# Allegro board AX7021-2019-04-01.brd
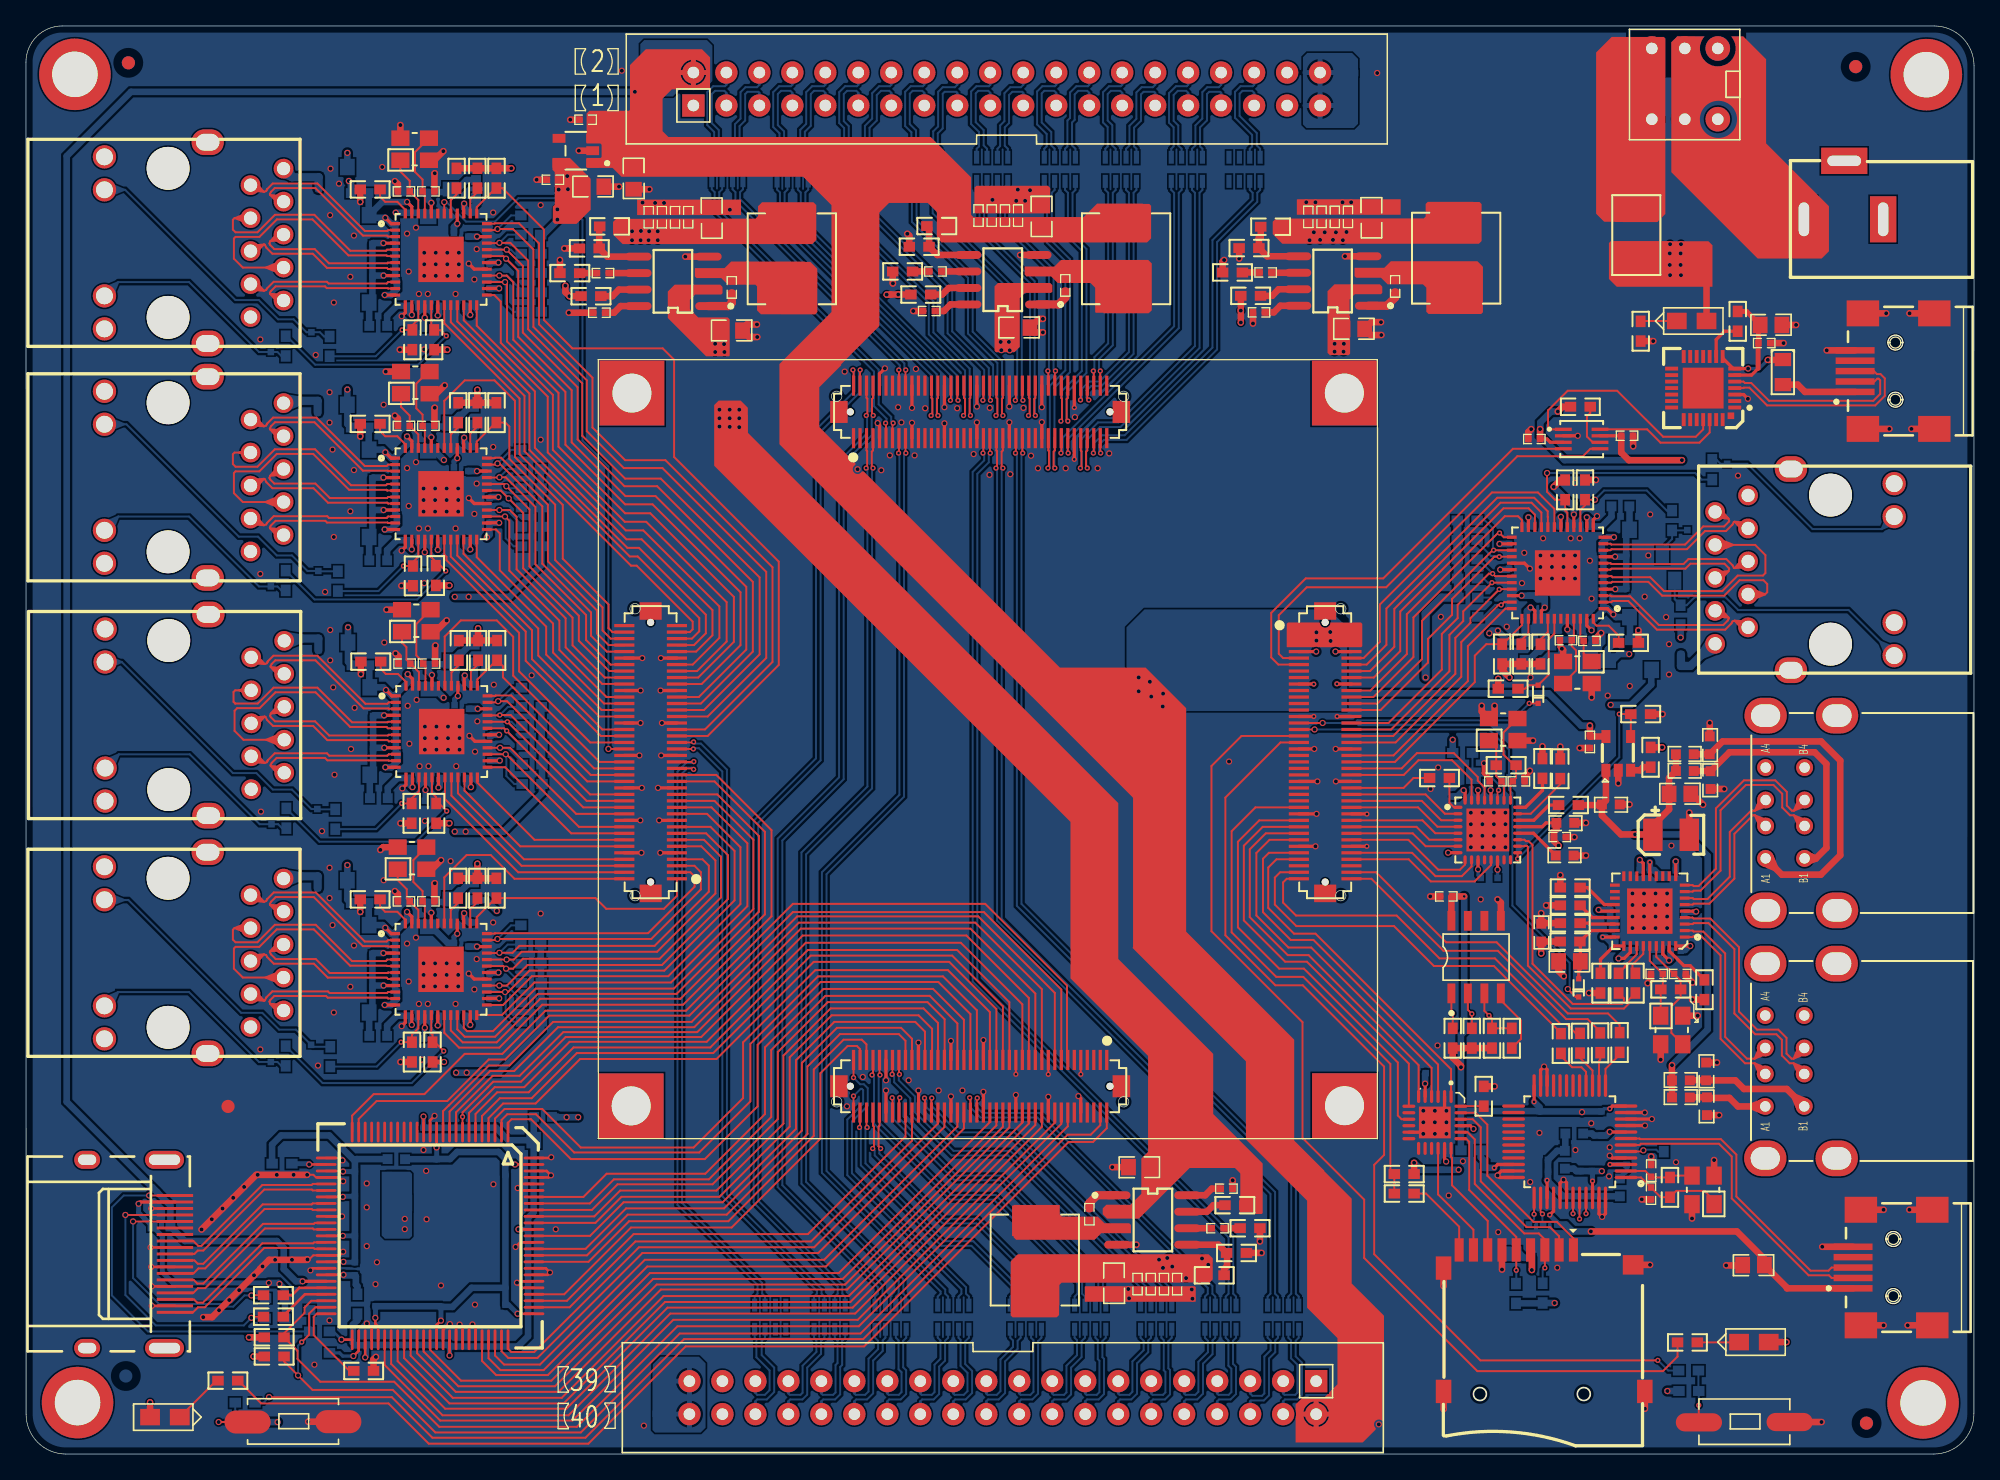
[diagram p0: board, top side]
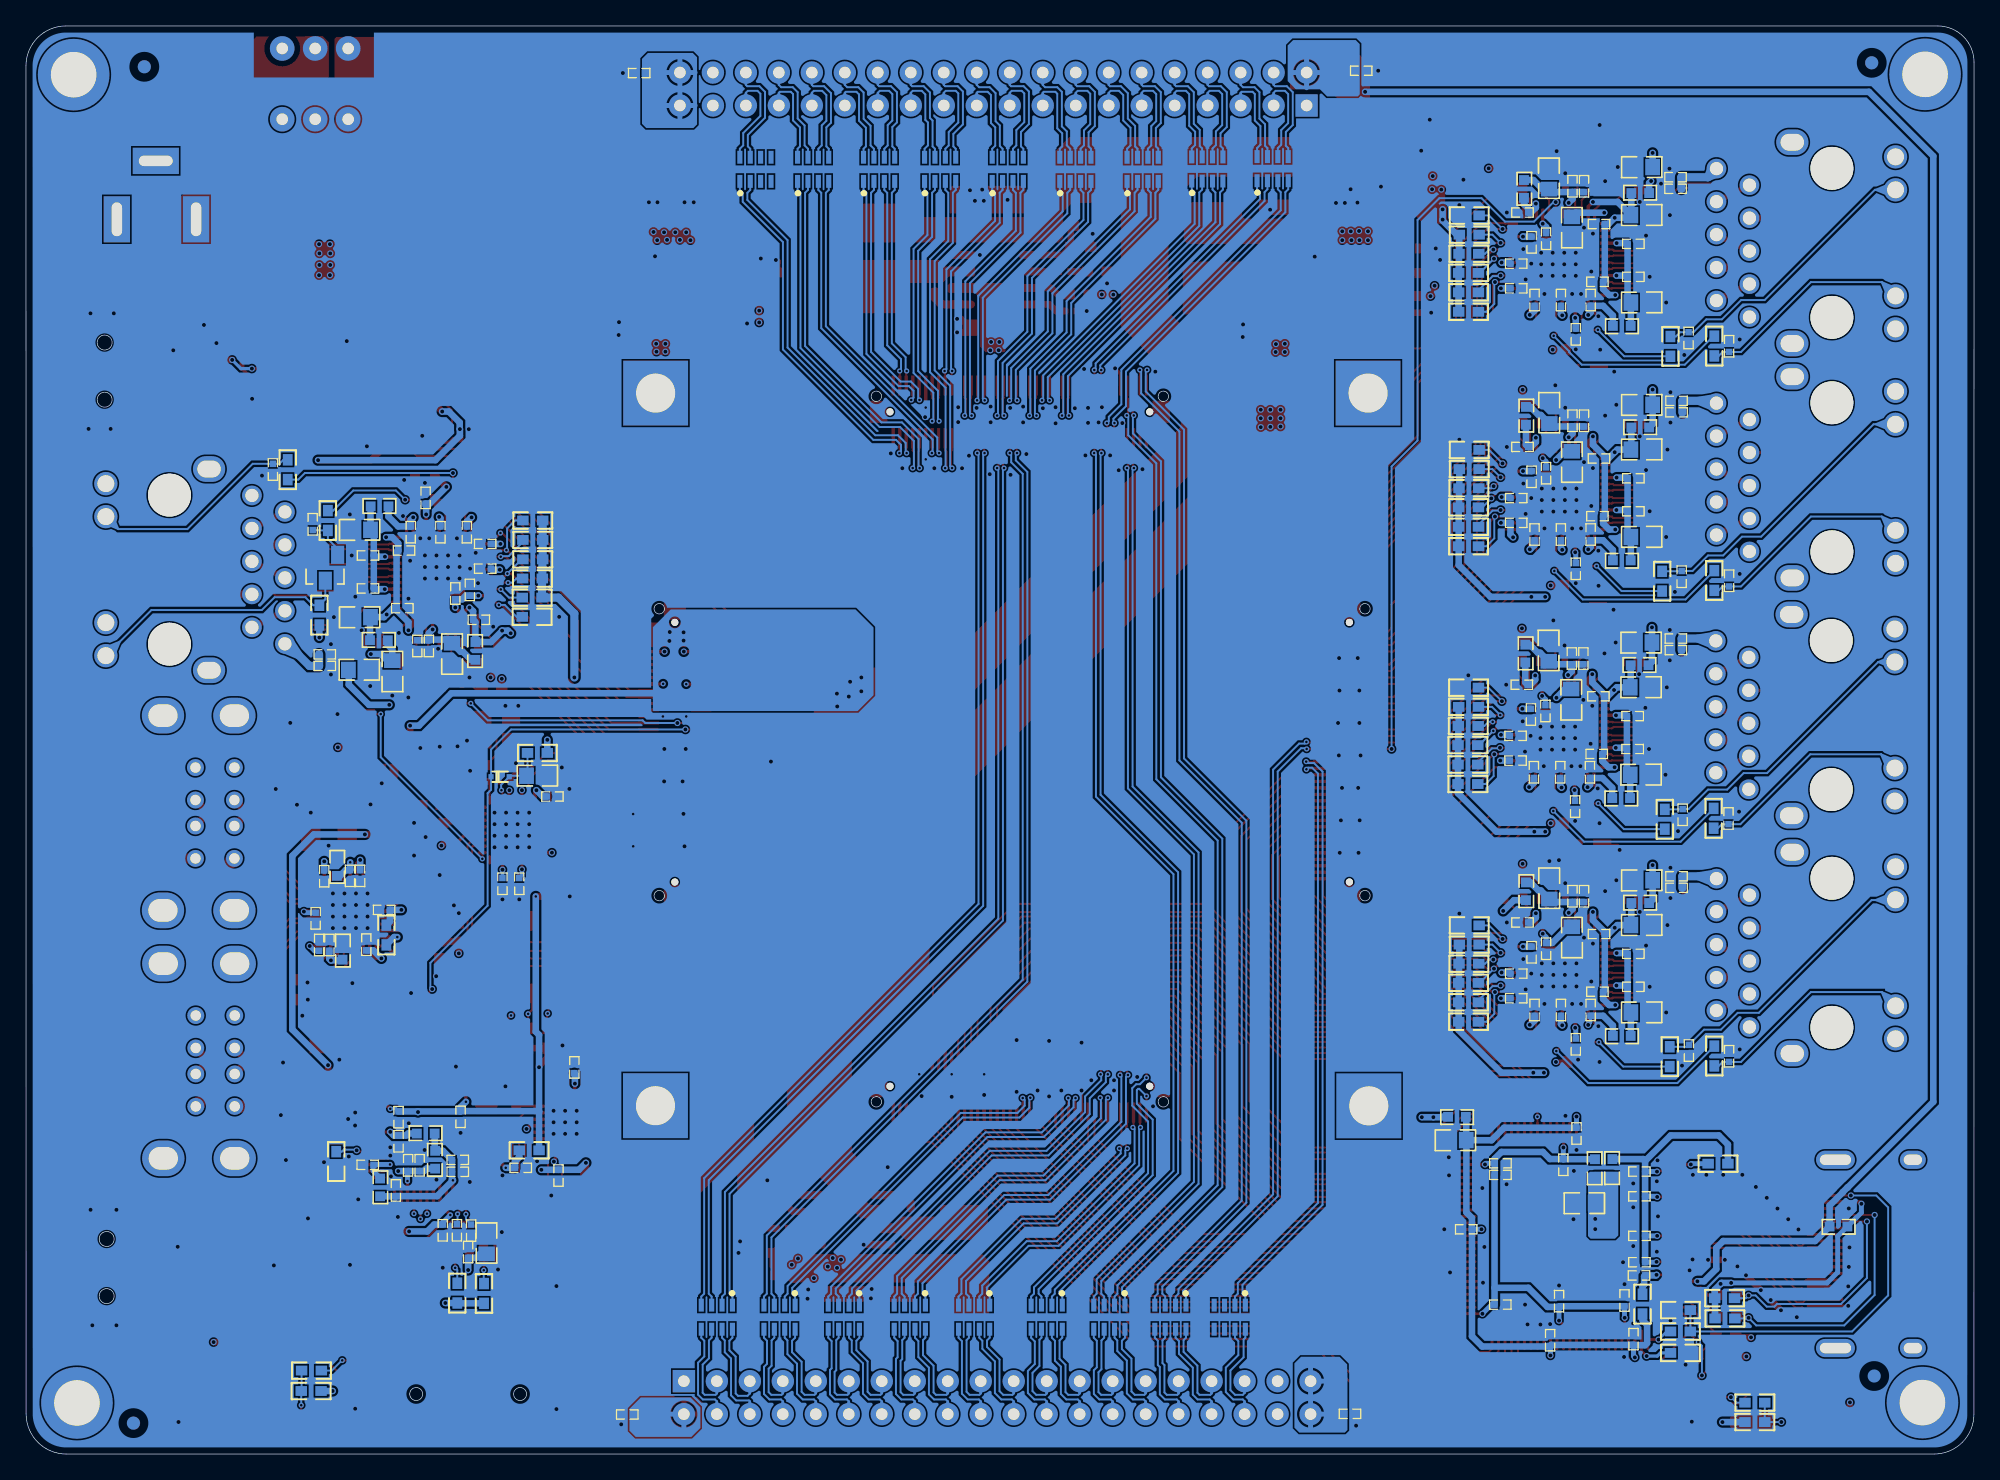
[diagram p1: board, bottom side, seen from below]

Outline 150.01 x 110 mm; copper layers: TOP, SGND, SVCC, BOTTOM. Coordinates in mm from the lower left corner of the outline.
Outline path: 0,107.21 arc(0.82,109.18) 2.79,110 146.94,110 arc(149.11,109.1) 150.01,106.93 150,3.1 arc(149.1,0.91) 146.91,0 3.07,0 arc(0.9,0.9) 0.01,3.07 0,107.21

## Design rules (mm)
net group EX_IO1_2P: nets EX_IO1_2N EX_IO1_2P
net group EX_IO1_4P: nets EX_IO1_4N EX_IO1_4P
net group EX_IO1_13P: nets EX_IO1_13N EX_IO1_13P
net group EX_IO1_14P: nets EX_IO1_14N EX_IO1_14P
net group EX_IO1_17N: nets EX_IO1_17N IO1_17N
net group EX_IO1_17P: nets EX_IO1_17P IO1_17P
net group EX_IO2_15P: nets IO2_15N IO2_15P
net group EX_IO2_15P1: nets EX_IO2_15N EX_IO2_15P
net group EX_IO2_16P: nets IO2_16N IO2_16P
net group EX_IO2_16P2: nets EX_IO2_16N EX_IO2_16P
net group IO1_4N: nets IO1_4N IO1_4P
net group IO1_13P: nets IO1_13N IO1_13P
net group IO1_14P: nets IO1_14N IO1_14P
net group OTG_D_P: nets OTG_D_N OTG_D_P
net group PHY_MDI0_N: nets PHY2_MDI0_N PHY2_MDI0_P
net group PHY_MDI1_N: nets PHY1_MDI1_N PHY1_MDI1_P
net group PHY_MDI2_P: nets PHY1_MDI2_N PHY1_MDI2_P
net group PHY_MDI3_N: nets PHY1_MDI3_N PHY1_MDI3_P
net group USB1: nets N20065767 N20065769
net group USB2: nets N20328299 N20328339
net group XADC-DIFF: nets XADC_VN XADC_VP
net group DP-DN: nets DN1 DN2 DN3 DN4 DP1 DP2 DP3 DP4
net group ETH_RX: nets PHY1_RXCK PHY1_RXCTL PHY1_RXD0 PHY1_RXD1 PHY1_RXD2 PHY1_RXD3 PHY2_RXCK PHY2_RXCTL PHY2_RXD0 PHY2_RXD1 PHY2_RXD2 PHY2_RXD3 PHY3_RXCK PHY3_RXCTL PHY3_RXD0 PHY3_RXD1 PHY3_RXD2 PHY3_RXD3 PHY4_RXCK PHY4_RXCTL PHY4_RXD0 PHY4_RXD1 PHY4_RXD2 PHY4_RXD3 PHY5_RXCK PHY5_RXCTL PHY5_RXD0 PHY5_RXD1 PHY5_RXD2 PHY5_RXD3
net group ETH_TX: nets PHY1_TXCK PHY1_TXCTL PHY1_TXD0 PHY1_TXD1 PHY1_TXD2 PHY1_TXD3 PHY2_TXCK PHY2_TXCTL PHY2_TXD0 PHY2_TXD1 PHY2_TXD2 PHY2_TXD3 PHY3_TXCK PHY3_TXCTL PHY3_TXD0 PHY3_TXD1 PHY3_TXD2 PHY3_TXD3 PHY4_TXCK PHY4_TXCTL PHY4_TXD0 PHY4_TXD1 PHY4_TXD2 PHY4_TXD3 PHY5_TXCK PHY5_TXCTL PHY5_TXD0 PHY5_TXD1 PHY5_TXD2 PHY5_TXD3
net group HDMI: nets TX_0N TX_0P TX_1N TX_1P TX_2N TX_2P TX_CN TX_CP
net group J11-DIFF: nets EX_IO1_1N EX_IO1_1P EX_IO1_3N EX_IO1_3P EX_IO1_5N EX_IO1_5P EX_IO1_6N EX_IO1_6P EX_IO1_7N EX_IO1_7P EX_IO1_8N EX_IO1_8P EX_IO1_9N EX_IO1_9P EX_IO1_10N EX_IO1_10P EX_IO1_11N EX_IO1_11P EX_IO1_12N EX_IO1_12P EX_IO1_15N EX_IO1_15P EX_IO1_16N EX_IO1_16P IO1_1N IO1_1P IO1_2N IO1_2P IO1_3N IO1_3P IO1_5N IO1_5P IO1_6N IO1_6P IO1_7N IO1_7P IO1_8N IO1_8P IO1_9N IO1_9P IO1_10N IO1_10P IO1_11N IO1_11P IO1_12N IO1_12P IO1_15N IO1_15P IO1_16N IO1_16P
net group J13-DIFF: nets EX_IO2_1N EX_IO2_1P EX_IO2_2N EX_IO2_2P EX_IO2_3N EX_IO2_3P EX_IO2_4N EX_IO2_4P EX_IO2_5N EX_IO2_5P EX_IO2_6N EX_IO2_6P EX_IO2_7N EX_IO2_7P EX_IO2_8N EX_IO2_8P EX_IO2_9N EX_IO2_9P EX_IO2_10N EX_IO2_10P EX_IO2_11N EX_IO2_11P EX_IO2_12N EX_IO2_12P EX_IO2_13N EX_IO2_13P EX_IO2_14N EX_IO2_14P EX_IO2_17N EX_IO2_17P IO2_1N IO2_1P IO2_2N IO2_2P IO2_3N IO2_3P IO2_4N IO2_4P IO2_5N IO2_5P IO2_6N IO2_6P IO2_7N IO2_7P IO2_8N IO2_8P IO2_9N IO2_9P IO2_10N IO2_10P IO2_11N IO2_11P IO2_12N IO2_12P IO2_13N IO2_13P IO2_14N IO2_14P IO2_17N IO2_17P
net group OTG_DATA: nets OTG_CLK OTG_DATA0 OTG_DATA1 OTG_DATA2 OTG_DATA3 OTG_DATA4 OTG_DATA5 OTG_DATA6 OTG_DATA7 OTG_DIR OTG_NXT OTG_STP
net group PHY_MDI: nets PHY1_MDI0_N PHY1_MDI0_P PHY2_MDI1_N PHY2_MDI1_P PHY2_MDI2_N PHY2_MDI2_P PHY2_MDI3_N PHY2_MDI3_P PHY3_MDI0_N PHY3_MDI0_P PHY3_MDI1_N PHY3_MDI1_P PHY3_MDI2_N PHY3_MDI2_P PHY3_MDI3_N PHY3_MDI3_P PHY4_MDI0_N PHY4_MDI0_P PHY4_MDI1_N PHY4_MDI1_P PHY4_MDI2_N PHY4_MDI2_P PHY4_MDI3_N PHY4_MDI3_P PHY5_MDI0_N PHY5_MDI0_P PHY5_MDI1_N PHY5_MDI1_P PHY5_MDI2_N PHY5_MDI2_P PHY5_MDI3_N PHY5_MDI3_P

## Placement (name value [footprint] x y rotation side)
C1  0.1uF  [C0402]  117.92 17.22 270 bottom
C2  10uF  [C0805]  133.03 14.55 180 top
C3  0.1uF  [C0402]  116.82 17.25 90 bottom
C4  0.1uF  [C0402]  115.73 17.22 90 bottom
C5  0.1uF  [C0402]  111.9 22.05 180 bottom
C8  0.1uF  [C0402]  116.75 22.66 180 bottom
C9  0.1uF  [C0402]  116.55 25.96 270 bottom
C10  0.1uF  [C0402]  119.69 22.25 90 bottom
C11  0.1uF  [C0402]  121.32 25.93 270 bottom
C12  0.1uF  [C0402]  116.75 21.74 180 bottom
C13  0.1uF  [C0402]  121.32 24.08 270 bottom
C14  0.1uF  [C0402]  121.52 20.32 90 bottom
C15  0.1uF  [C0402]  123.71 22.28 0 bottom
C16  0.1uF  [C0402]  120.58 22.25 90 bottom
C17  0.1uF  [C0402]  109.36 42.95 180 top
C22  10uF  [C0805]  114.54 16.26 90 bottom
C23  0.1uF  [C0402]  109 21.44 270 bottom
C24  0.1uF  [C0402]  107.78 29.79 90 bottom
C25  0.1uF  [C0402]  115.96 15.57 90 bottom
C26  22uF  [C0805]  124.34 60.4 180 bottom
C27  0.1uF  [C0402]  119.24 73.66 90 bottom
C28  0.1uF  [C0402]  115.83 66.57 90 bottom
C29  0.1uF  [C0402]  116.95 66.29 90 bottom
C30  22uF  [C0805]  121.8 60.27 270 bottom
C31  22uF  [C0805]  124.32 64.47 0 bottom
C32  0.1uF  [C0402]  121.02 65.15 180 bottom
C33  0.1uF  [C0402]  120.89 69.6 180 bottom
C34  0.1uF  [C0402]  116.06 70.99 270 bottom
C35  0.1uF  [C0402]  115.12 64.26 180 bottom
C36  0.1uF  [C0402]  114.67 68.2 0 bottom
C37  0.1uF  [C0402]  118.09 70.99 270 bottom
C38  0.1uF  [C0402]  120.38 70.99 270 bottom
C39  0.1uF  [C0402]  114.67 70.1 0 bottom
C40  22uF  [C0805]  117.21 61.62 270 bottom
C41  0.1uF  [C0402]  118.98 62.23 270 bottom
C42  0.01uF  [C0402]  119.87 62.23 270 bottom
C43  22uF  [C0805]  124.32 71.2 0 bottom
C44  0.1uF  [C0402]  123.68 66.67 0 bottom
C45  0.1uF  [C0402]  123.68 69.22 0 bottom
C46  18pF  [C0402]  120.41 62.64 0 top
C47  18pF  [C0402]  118.58 62.69 180 top
C48  0.1uF  [C0402]  131 75.82 270 bottom
C49  0.1uF  [C0402]  127.93 71.63 90 bottom
C50  0.1uF  [C0402]  126.98 60.71 180 bottom
C51  1uF  [C0402]  126.98 61.59 180 bottom
C52  2.2uF  [C0603]  118.54 48.62 0 top
C53  0.1uF  [C0402]  118.12 47.52 0 top
C54  0.1uF  [C0402]  112.02 43.92 270 bottom
C55  0.1uF  [C0402]  109.46 50.65 180 bottom
C56  0.1uF  [C0402]  113.32 43.92 270 bottom
C57  10uF  [C0805]  110.63 52.25 180 bottom
C58  4.7uF  [C0603]  118.49 46.1 180 top
C59  18pF  [C0402]  113.17 51.82 0 top
C60  18pF  [C0402]  114.94 51.82 180 top
C61  0.1uF  [C0402]  120.43 54.84 270 top
C62  22uF  [C0805]  127.37 50.85 0 top
C63  100uF  [TAN-SMB]  126.68 47.7 180 top
C64  4.7uF  [C0603]  122.04 50.04 0 top
C65  10uF  [C0805]  39.94 24.18 0 bottom
C66  0.1uF  [C0402]  39.12 17.31 0 bottom
C67  0.1uF  [C0402]  26.22 8.86 90 bottom
C68  0.1uF  [C0402]  32.64 8.78 90 bottom
C69  0.1uF  [C0402]  36.45 22.39 180 bottom
C70  0.1uF  [C0402]  36.45 21.5 180 bottom
C71  0.1uF  [C0402]  31.96 11.79 90 bottom
C72  0.1uF  [C0402]  31.63 22.27 270 bottom
C73  0.1uF  [C0402]  26.92 11.84 90 bottom
C74  0.1uF  [C0402]  36.47 11.51 180 bottom
C75  0.1uF  [C0402]  30.61 24.68 270 bottom
C76  0.1uF  [C0402]  25.78 13.76 180 bottom
C77  0.1uF  [C0402]  25.78 19.85 0 bottom
C78  0.1uF  [C0402]  25.78 14.77 0 bottom
C79  0.1uF  [C0402]  25.78 21.76 0 bottom
C80  0.1uF  [C0402]  25.78 16.8 0 bottom
C81  10uF  [C0805]  30.01 19.33 0 bottom
C82  22uF  [C0805]  30.97 39.78 270 bottom
C83  0.1uF  [C0402]  30.67 31.55 270 bottom
C84  0.1uF  [C0402]  32.95 38.91 270 bottom
C85  0.1uF  [C0402]  34.07 38.63 270 bottom
C86  22uF  [C0805]  25.59 44.2 0 bottom
C87  22uF  [C0805]  25.59 40.74 180 bottom
C88  0.1uF  [C0402]  28.89 40.06 0 bottom
C89  0.1uF  [C0402]  29.02 35.61 0 bottom
C90  0.1uF  [C0402]  35.24 37.01 180 bottom
C91  0.1uF  [C0402]  29.52 34.21 90 bottom
C92  0.1uF  [C0402]  31.81 34.21 90 bottom
C93  0.1uF  [C0402]  33.84 34.21 90 bottom
C94  0.1uF  [C0402]  35.24 35.1 180 bottom
C95  0.1uF  [C0402]  34.78 40.94 0 bottom
C96  22uF  [C0805]  32.7 43.59 90 bottom
C97  0.1uF  [C0402]  30.92 42.98 90 bottom
C98  0.01uF  [C0402]  30.03 42.98 90 bottom
C99  22uF  [C0805]  25.59 34.01 180 bottom
C100  0.1uF  [C0402]  26.22 38.53 180 bottom
C101  0.1uF  [C0402]  26.22 35.99 180 bottom
C102  18pF  [C0402]  29.09 42.57 180 top
C103  18pF  [C0402]  31 42.57 0 top
C104  0.1uF  [C0402]  18.86 30.66 90 bottom
C105  0.1uF  [C0402]  21.96 31.06 270 bottom
C106  0.1uF  [C0402]  22.92 44.5 0 bottom
C107  1uF  [C0402]  22.92 43.61 0 bottom
C108  22uF  [C0805]  31.02 58.09 270 bottom
C109  0.1uF  [C0402]  33 57.23 270 bottom
C110  0.1uF  [C0402]  34.12 56.95 270 bottom
C111  0.1uF  [C0402]  30.72 49.86 270 bottom
C112  22uF  [C0805]  25.64 62.51 0 bottom
C113  22uF  [C0805]  25.64 59.06 180 bottom
C114  0.1uF  [C0402]  29.07 53.92 0 bottom
C115  0.1uF  [C0402]  28.94 58.37 0 bottom
C116  0.1uF  [C0402]  35.29 55.32 180 bottom
C117  0.1uF  [C0402]  33.89 52.53 90 bottom
C118  0.1uF  [C0402]  35.29 53.42 180 bottom
C119  0.1uF  [C0402]  31.86 52.53 90 bottom
C120  0.1uF  [C0402]  29.58 52.53 90 bottom
C121  0.1uF  [C0402]  34.83 59.26 0 bottom
C122  22uF  [C0805]  32.75 61.9 90 bottom
C123  0.1uF  [C0402]  30.97 61.29 90 bottom
C124  0.01uF  [C0402]  30.08 61.29 90 bottom
C125  22uF  [C0805]  25.64 52.32 180 bottom
C126  0.1uF  [C0402]  26.27 56.85 180 bottom
C127  0.1uF  [C0402]  26.27 54.31 180 bottom
C128  18pF  [C0402]  29.14 60.88 180 top
C129  18pF  [C0402]  31.05 60.88 0 top
C130  0.1uF  [C0402]  18.91 48.97 90 bottom
C131  0.1uF  [C0402]  22.44 49.23 270 bottom
C132  0.1uF  [C0402]  22.97 62.81 0 bottom
C133  1uF  [C0402]  22.97 61.93 0 bottom
C134  22uF  [C0805]  30.97 76.4 270 bottom
C135  0.1uF  [C0402]  30.67 68.17 270 bottom
C136  0.1uF  [C0402]  34.07 75.26 270 bottom
C137  0.1uF  [C0402]  32.95 75.54 270 bottom
C138  22uF  [C0805]  25.59 80.82 0 bottom
C139  22uF  [C0805]  25.59 77.37 180 bottom
C140  0.1uF  [C0402]  28.89 76.68 0 bottom
C141  0.1uF  [C0402]  29.02 72.24 0 bottom
C142  0.1uF  [C0402]  34.78 77.57 0 bottom
C143  0.1uF  [C0402]  35.24 71.73 180 bottom
C144  0.1uF  [C0402]  29.52 70.84 90 bottom
C145  0.1uF  [C0402]  33.84 70.84 90 bottom
C146  0.1uF  [C0402]  31.81 70.84 90 bottom
C147  0.1uF  [C0402]  35.24 73.63 180 bottom
C148  22uF  [C0805]  32.7 80.21 90 bottom
C149  0.1uF  [C0402]  30.92 79.6 90 bottom
C150  0.01uF  [C0402]  30.03 79.6 90 bottom
C151  22uF  [C0805]  25.59 70.64 180 bottom
C152  0.1uF  [C0402]  26.22 75.16 180 bottom
C153  0.1uF  [C0402]  26.22 72.62 180 bottom
C154  18pF  [C0402]  29.09 79.2 180 top
C155  18pF  [C0402]  31 79.2 0 top
C156  0.1uF  [C0402]  18.86 67.28 90 bottom
C157  0.1uF  [C0402]  22.51 67.56 270 bottom
C158  0.1uF  [C0402]  22.92 81.13 0 bottom
C159  1uF  [C0402]  22.92 80.24 0 bottom
C160  22uF  [C0805]  25.59 99.14 0 bottom
C161  0.1uF  [C0402]  30.67 86.23 270 bottom
C162  0.1uF  [C0402]  34.07 93.32 270 bottom
C163  0.1uF  [C0402]  32.95 93.6 270 bottom
C164  22uF  [C0805]  30.97 94.46 270 bottom
C165  22uF  [C0805]  25.59 95.43 180 bottom
C166  0.1uF  [C0402]  29.02 90.3 0 bottom
C167  0.1uF  [C0402]  28.89 94.74 0 bottom
C168  0.1uF  [C0402]  35.24 91.69 180 bottom
C169  0.1uF  [C0402]  34.78 95.63 0 bottom
C170  0.1uF  [C0402]  29.52 88.9 90 bottom
C171  0.1uF  [C0402]  33.84 88.9 90 bottom
C172  0.1uF  [C0402]  35.24 89.79 180 bottom
C173  0.1uF  [C0402]  31.81 88.9 90 bottom
C174  22uF  [C0805]  32.73 98.27 90 bottom
C175  0.1uF  [C0402]  30.92 97.66 90 bottom
C176  0.01uF  [C0402]  30.03 97.66 90 bottom
C177  22uF  [C0805]  25.59 88.7 180 bottom
C178  0.1uF  [C0402]  26.22 90.68 180 bottom
C179  0.1uF  [C0402]  26.22 93.22 180 bottom
C180  18pF  [C0402]  29.09 97.26 180 top
C181  18pF  [C0402]  31 97.26 0 top
C182  0.1uF  [C0402]  18.86 85.34 90 bottom
C183  0.1uF  [C0402]  21.98 85.95 270 bottom
C184  0.1uF  [C0402]  23 98.35 0 bottom
C185  1uF  [C0402]  23 97.46 0 bottom
C186  0.1uF  [C0402]  43.08 102.78 180 top
C187  0.1uF  [C0402]  40.57 98.16 180 top
C188  10uF  [C0805]  43.66 97.62 0 top
C189  10uF  [C0805]  46.79 98.26 270 top
C190  0.1uF  [C0402]  103.72 3.05 0 bottom
C191  0.1uF  [C0402]  48.04 3.1 180 bottom
C192  0.1uF  [C0402]  47.18 106.55 180 bottom
C193  0.1uF  [C0402]  102.8 106.38 0 bottom
C194  0.01uF  [C0402]  80.03 90.02 90 top
C195  10uF/24V  [C0805]  76.47 86.76 0 top
C196  0.1uF  [C0402]  69.54 88.04 180 top
C197  22uF  [C0805]  78.22 95.33 90 top
C198  0.1uF  [C0402]  75.38 95.41 90 top
C199  0.1uF  [C0402]  74.37 95.41 90 top
C200  0.1uF  [C0402]  73.35 95.41 90 top
C201  0.1uF  [C0402]  76.4 95.41 90 top
C202  33nF  [C0402]  70.02 91.09 180 top
C203  0.01uF  [C0402]  105.43 89.95 90 top
C204  0.01uF  [C0402]  81.89 18.46 270 top
C205  10uF/24V  [C0805]  102.25 86.66 0 top
C206  10uF/24V  [C0805]  85.73 22.1 180 top
C207  0.1uF  [C0402]  94.94 87.94 180 top
C208  22uF  [C0805]  103.62 95.22 90 top
C209  0.1uF  [C0402]  99.77 95.31 90 top
C210  0.1uF  [C0402]  100.78 95.31 90 top
C211  0.1uF  [C0402]  101.8 95.31 90 top
C212  0.1uF  [C0402]  98.75 95.31 90 top
C213  0.1uF  [C0402]  92.45 20.44 0 top
C214  22uF  [C0805]  83.78 13.16 270 top
C215  0.1uF  [C0402]  86.61 13.08 270 top
C216  0.1uF  [C0402]  85.6 13.08 270 top
C217  0.1uF  [C0402]  88.64 13.08 270 top
C218  0.1uF  [C0402]  87.63 13.08 270 top
C219  33nF  [C0402]  95.45 91.01 180 top
C220  33nF  [C0402]  91.77 17.39 0 top
C221  10uF  [C0805]  134.38 86.97 0 top
C222  1uF  [C0402]  133.87 85.57 0 top
C223  0.1uF  [C0402]  127.43 39.22 90 bottom
C224  2.2uF  [C0603]  116.68 40.16 90 top
C225  0.1uF  [C0402]  127.7 41.24 270 bottom
C226  0.1uF  [C0402]  127.04 44.49 270 bottom
C227  0.1uF  [C0402]  124.27 44.52 270 bottom
C228  0.1uF  [C0402]  122.44 41.92 0 bottom
C229  0.1uF  [C0402]  123.8 39.25 90 bottom
C230  0.1uF  [C0402]  126.65 39.22 90 bottom
C231  4.7uF  [C0603]  125.63 38.77 90 bottom
C232  0.1uF  [C0402]  125.06 44.52 270 bottom
C233  4.7uF  [C0603]  126.06 45.22 90 bottom
C234  18pF  [C0402]  127.37 36.98 180 top
C235  18pF  [C0402]  125.59 36.98 0 top
C236  10uF  [C0805]  118.86 37.95 180 top
C237  4.7uF  [C0603]  129.44 26.79 270 top
C238  4.7uF  [C0603]  129.38 29.47 90 top
C239  0.1uF  [C0402]  116.14 78.18 180 top
C240  0.1uF  [C0402]  123.3 78.44 0 top
C241  4.7uF  [C0603]  129.66 54.59 90 top
C242  4.7uF  [C0603]  129.72 51.91 270 top
C243  18pF  [C0402]  125.15 21.81 270 top
C244  18pF  [C0402]  125.14 20.07 90 top
C245  0.1uF  [C0402]  44.14 87.92 180 top
C246  0.01uF  [C0402]  54.35 89.87 90 top
C247  0.1uF  [C0402]  48.97 95.28 90 top
C248  0.1uF  [C0402]  51 95.28 90 top
C249  0.1uF  [C0402]  47.95 95.28 90 top
C250  0.1uF  [C0402]  49.98 95.28 90 top
C251  10uF/24V  [C0805]  54.34 86.54 0 top
C252  33nF  [C0402]  44.42 90.96 180 top
C253  22uF  [C0805]  52.82 95.2 90 top
CN1  AJ243-3-3C  [CN1-DCJACK]  143.01 95.11 90 top
CON1  CON40X2_0_8MM  [1000K-F80E-01L-A]  100.04 54.06 270 top
CON2  CON40X2_0_8MM  [1000K-F80E-01L-A]  73.48 80.27 0 top
CON3  CON40X2_0_8MM  [1000K-F80E-01L-A]  48.1 54.06 90 top
CON4  CON40X2_0_8MM  [1000K-F80E-01L-A]  73.48 28.33 180 top
D1  -  [BAS16XV2T1G]  116.44 58.52 90 top
D2  -  [BAS16XV2T1G]  113.5 52.17 180 bottom
D3  -  [BAS16XV2T1G]  119.57 35.91 90 top
F1  SMD0603P014TF-33  [L0603]  10.44 17.53 180 bottom
F2  2A  [FUSE_1812]  124 93.89 270 top
H1  TEST POINT  [HOLE]  3.77 106.27 0 top
H2  TEST POINT  [HOLE]  146.09 3.94 0 top
H3  TEST POINT  [HOLE]  146.34 106.25 0 top
H4  TEST POINT  [HOLE]  3.97 3.96 0 top
HOLE1  TEST POINT  [FPAD_1]  46.66 81.72 0 top
HOLE2  TEST POINT  [FPAD_1]  46.61 26.82 0 top
HOLE3  TEST POINT  [FPAD_1]  101.54 26.83 0 top
HOLE4  TEST POINT  [FPAD_1]  101.52 81.72 0 top
J1  MINI_USB  [MINIUSBB]  140.7 14.36 180 top
J2  MINI_USB  [MINIUSBB]  140.85 83.41 180 top
J3  Micro SD  [MICRO_SD]  119.16 15.72 0 top
J4  HR911130A  [GE_RJ45]  138.96 62.38 0 top
J5  DUAL USB  [DUAL_USB]  136.69 30.28 90 top
J6  DUAL USB  [DUAL_USB]  136.71 49.38 90 top
J9  HDMI OUT  [HDMI_A_TYPE]  12.62 22.91 0 top
J10  HR911130A  [GE_RJ45]  10.94 44.35 180 top
J11  HR911130A  [GE_RJ45]  11 62.66 180 top
J12  HR911130A  [GE_RJ45]  10.94 80.97 180 top
J13  HR911130A  [GE_RJ45]  10.94 99.03 180 top
J15  HEADER 20x2/M  [IDC-40J]  75.22 4.34 180 top
J16  HEADER 20x2/M  [IDC-40J]  75.52 105.14 0 top
KEY1  Button  [KEY735SO#2]  128.83 2.44 0 top
KEY2  Button  [KEY735SO]  17.07 2.47 0 top
L1  120OHM@100Mhz  [L0603]  119.22 24.69 0 bottom
L2  120OHM@100Mhz  [L0603]  122.74 20.54 90 bottom
L3  120OHM@100Mhz  [L0603]  118.5 22.67 270 bottom
L4  120OHM@100Mhz  [L0603]  122.83 62.69 0 bottom
L5  120OHM@100Mhz  [L0603]  115.4 61.86 270 bottom
L6  120OHM@100Mhz  [L0603]  122.78 73 0 bottom
L7  Bead  [L0603]  39.82 25.97 180 bottom
L8  Bead  [L0603]  29.19 22.02 270 bottom
L9  Bead  [L0603]  27.85 22.03 270 bottom
L10  120OHM@100Mhz  [L0603]  25.7 42.44 0 bottom
L11  120OHM@100Mhz  [L0603]  34.5 43.35 90 bottom
L12  120OHM@100Mhz  [L0603]  27.12 32.21 180 bottom
L13  120OHM@100Mhz  [L0603]  25.75 60.76 0 bottom
L14  120OHM@100Mhz  [L0603]  34.55 61.66 90 bottom
L15  120OHM@100Mhz  [L0603]  27.18 50.52 180 bottom
L16  120OHM@100Mhz  [L0603]  25.7 79.07 0 bottom
L17  120OHM@100Mhz  [L0603]  34.5 79.97 90 bottom
L18  120OHM@100Mhz  [L0603]  27.12 68.83 180 bottom
L19  120OHM@100Mhz  [L0603]  25.7 97.13 0 bottom
L20  120OHM@100Mhz  [L0603]  34.66 97.45 90 bottom
L21  120OHM@100Mhz  [L0603]  27.12 86.89 180 bottom
L22  10uH  [SMTDR75-100M]  84.72 92.07 90 top
L23  10uH  [SMTDR75-100M]  110.13 92.11 90 top
L24  10uH  [SMTDR75-100M]  77.68 14.94 270 top
L25  10uH  [SMTDR75-100M]  58.98 92.06 90 top
L26  Bead  [L0603]  127.44 27.46 180 top
L27  Bead  [L0603]  127.74 53.91 180 top
L29  Bead  [L0603]  127.44 28.79 180 top
L30  Bead  [L0603]  127.74 52.61 180 top
LED1  RED  [LEDSO]  131.92 8.62 0 top
LED2  RED  [LEDSO]  11.84 2.84 180 top
LED9  RED  [LEDSO]  127.12 87.27 0 top